# KiCad board TKL.kicad_pcb
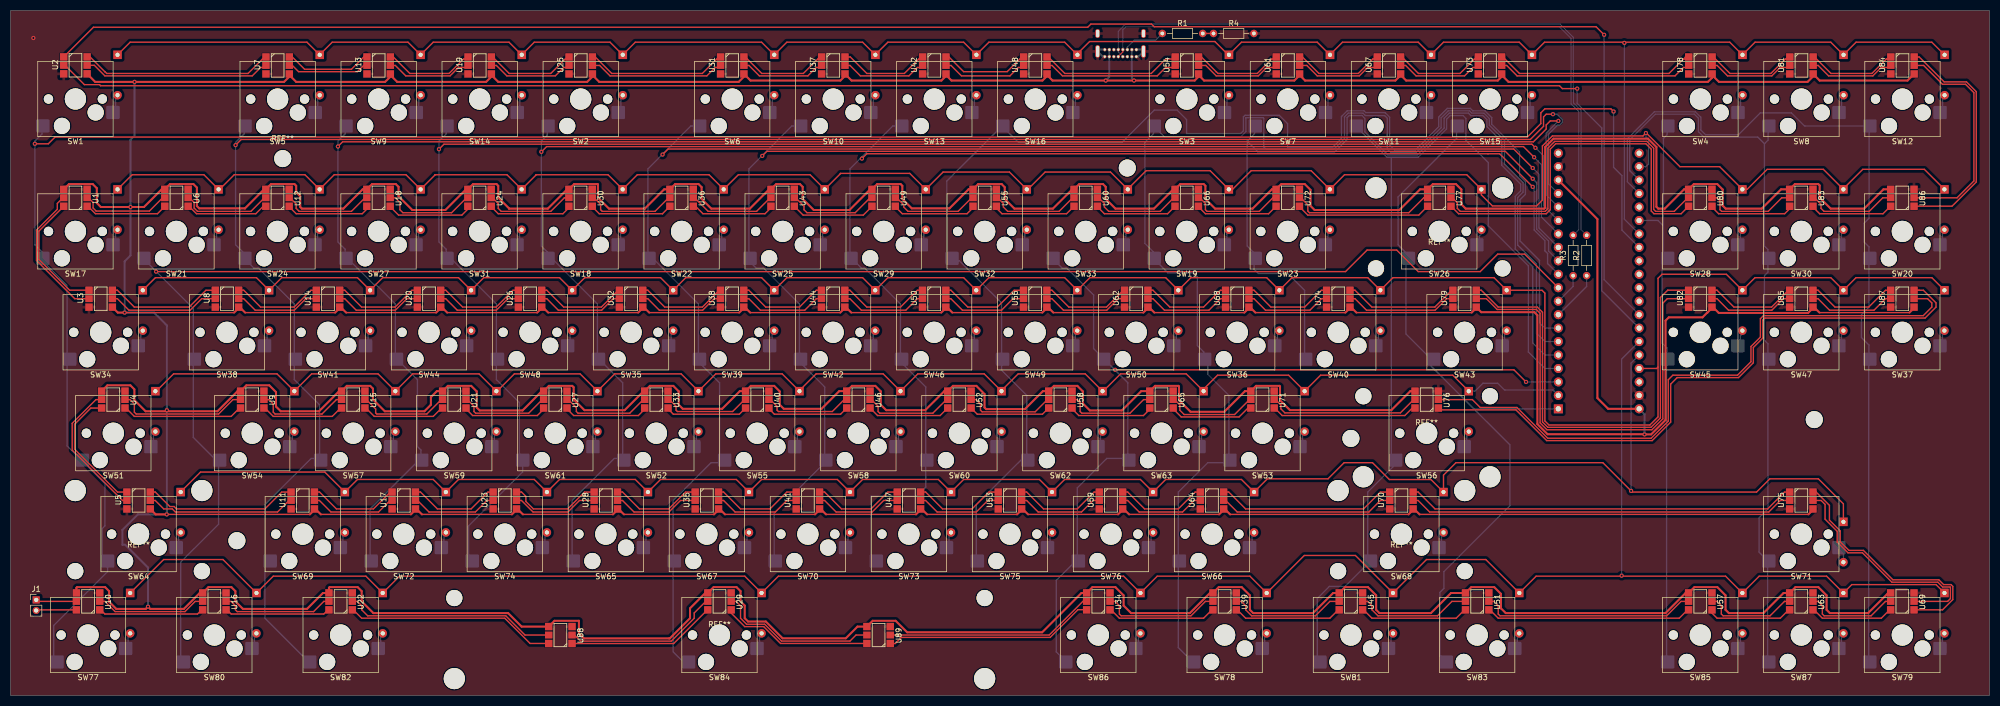
[diagram p0: board, top side]
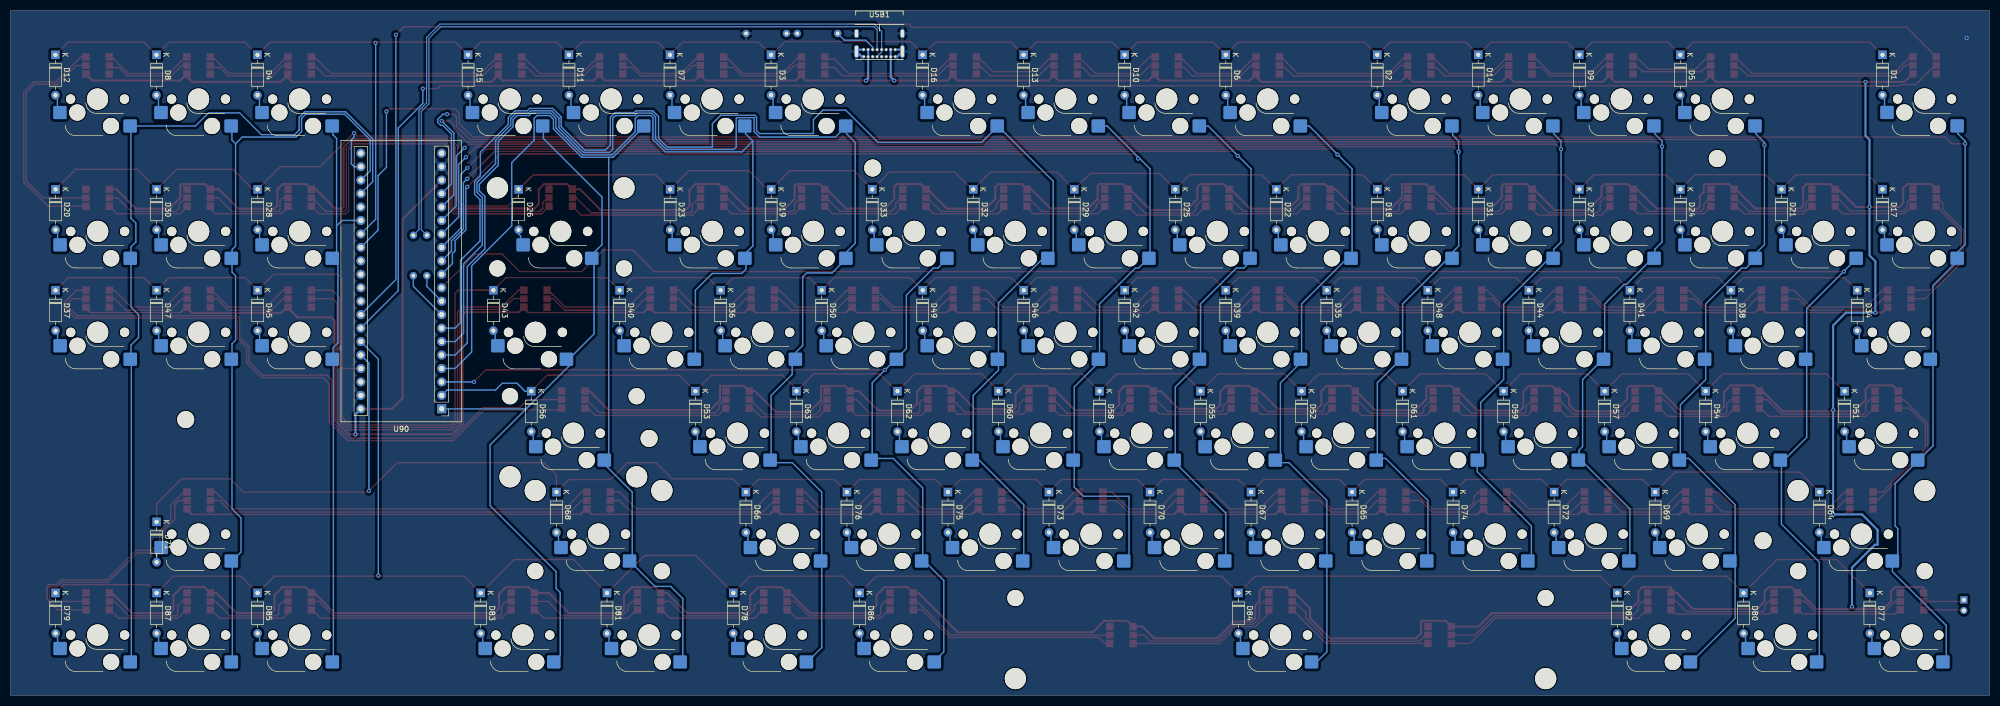
[diagram p1: board, bottom side, seen from below]

Outline 373.13 x 129.29 mm; copper layers: Top, Bottom. Coordinates in mm from the lower left corner of the outline.
Outline path: 0,129.29 0,0 373.13,0 373.13,129.29 0,129.29
Stack: Top 0.035mm / dielectric 1.51mm FR4 er 4.5 / Bottom 0.035mm

## Placement (name value [footprint] x y rotation side)
D1  D_ESC  [D_DO-35_SOD27_P7.62mm_Horizontal]  20.16 120.94 270 bottom
D2  D_F4  [D_DO-35_SOD27_P7.62mm_Horizontal]  115.44 120.94 270 bottom
D3  D_F9  [D_DO-35_SOD27_P7.62mm_Horizontal]  229.74 120.94 270 bottom
D4  D_PRINT  [D_DO-35_SOD27_P7.62mm_Horizontal]  326.58 120.94 270 bottom
D5  D_F1  [D_DO-35_SOD27_P7.62mm_Horizontal]  58.29 120.94 270 bottom
D6  D_F5  [D_DO-35_SOD27_P7.62mm_Horizontal]  143.99 120.94 270 bottom
D7  D_F10  [D_DO-35_SOD27_P7.62mm_Horizontal]  248.79 120.94 270 bottom
D8  D_SCRLCK  [D_DO-35_SOD27_P7.62mm_Horizontal]  345.63 120.94 270 bottom
D9  D_F2  [D_DO-35_SOD27_P7.62mm_Horizontal]  77.31 120.94 270 bottom
D10  D_F6  [D_DO-35_SOD27_P7.62mm_Horizontal]  163.06 120.94 270 bottom
D11  D_F11  [D_DO-35_SOD27_P7.62mm_Horizontal]  267.84 120.94 270 bottom
D12  D_BREAK  [D_DO-35_SOD27_P7.62mm_Horizontal]  364.68 120.94 270 bottom
D13  D_F7  [D_DO-35_SOD27_P7.62mm_Horizontal]  182.11 120.94 270 bottom
D14  D_F3  [D_DO-35_SOD27_P7.62mm_Horizontal]  96.39 120.94 270 bottom
D15  D_F12  [D_DO-35_SOD27_P7.62mm_Horizontal]  286.86 120.94 270 bottom
D16  D_F8  [D_DO-35_SOD27_P7.62mm_Horizontal]  201.16 120.94 270 bottom
D17  D_TILDE  [D_DO-35_SOD27_P7.62mm_Horizontal]  20.16 95.54 270 bottom
D18  D_5  [D_DO-35_SOD27_P7.62mm_Horizontal]  115.41 95.54 270 bottom
D19  D_MINUS  [D_DO-35_SOD27_P7.62mm_Horizontal]  229.71 95.54 270 bottom
D20  D_PGUP  [D_DO-35_SOD27_P7.62mm_Horizontal]  364.65 95.54 270 bottom
D21  D_1  [D_DO-35_SOD27_P7.62mm_Horizontal]  39.21 95.54 270 bottom
D22  D_6  [D_DO-35_SOD27_P7.62mm_Horizontal]  134.46 95.54 270 bottom
D23  D_PLUS  [D_DO-35_SOD27_P7.62mm_Horizontal]  248.76 95.54 270 bottom
D24  D_2  [D_DO-35_SOD27_P7.62mm_Horizontal]  58.26 95.54 270 bottom
D25  D_7  [D_DO-35_SOD27_P7.62mm_Horizontal]  153.51 95.54 270 bottom
D26  D_BACK  [D_DO-35_SOD27_P7.62mm_Horizontal]  277.34 95.54 270 bottom
D27  D_3  [D_DO-35_SOD27_P7.62mm_Horizontal]  77.31 95.54 270 bottom
D28  D_INSERT  [D_DO-35_SOD27_P7.62mm_Horizontal]  326.55 95.54 270 bottom
D29  D_8  [D_DO-35_SOD27_P7.62mm_Horizontal]  172.56 95.54 270 bottom
D30  D_HOME  [D_DO-35_SOD27_P7.62mm_Horizontal]  345.6 95.54 270 bottom
D31  D_4  [D_DO-35_SOD27_P7.62mm_Horizontal]  96.36 95.54 270 bottom
D32  D_9  [D_DO-35_SOD27_P7.62mm_Horizontal]  191.61 95.54 270 bottom
D33  D_0  [D_DO-35_SOD27_P7.62mm_Horizontal]  210.66 95.54 270 bottom
D34  D_TAB  [D_DO-35_SOD27_P7.62mm_Horizontal]  24.92 76.49 270 bottom
D35  D_T  [D_DO-35_SOD27_P7.62mm_Horizontal]  124.94 76.49 270 bottom
D36  D_BRACEL  [D_DO-35_SOD27_P7.62mm_Horizontal]  239.24 76.49 270 bottom
D37  D_PGDN  [D_DO-35_SOD27_P7.62mm_Horizontal]  364.65 76.49 270 bottom
D38  D_Q  [D_DO-35_SOD27_P7.62mm_Horizontal]  48.74 76.49 270 bottom
D39  D_Y  [D_DO-35_SOD27_P7.62mm_Horizontal]  143.99 76.49 270 bottom
D40  D_BRACER  [D_DO-35_SOD27_P7.62mm_Horizontal]  258.29 76.49 270 bottom
D41  D_W  [D_DO-35_SOD27_P7.62mm_Horizontal]  67.79 76.49 270 bottom
D42  D_U  [D_DO-35_SOD27_P7.62mm_Horizontal]  163.04 76.49 270 bottom
D43  D_BCKSLSH  [D_DO-35_SOD27_P7.62mm_Horizontal]  282.1 76.49 270 bottom
D44  D_E  [D_DO-35_SOD27_P7.62mm_Horizontal]  86.84 76.49 270 bottom
D45  D_DELETE  [D_DO-35_SOD27_P7.62mm_Horizontal]  326.55 76.49 270 bottom
D46  D_I  [D_DO-35_SOD27_P7.62mm_Horizontal]  182.09 76.49 270 bottom
D47  D_END  [D_DO-35_SOD27_P7.62mm_Horizontal]  345.6 76.49 270 bottom
D48  D_R  [D_DO-35_SOD27_P7.62mm_Horizontal]  105.89 76.49 270 bottom
D49  D_O  [D_DO-35_SOD27_P7.62mm_Horizontal]  201.14 76.49 270 bottom
D50  D_P  [D_DO-35_SOD27_P7.62mm_Horizontal]  220.19 76.49 270 bottom
D51  D_CAPS  [D_DO-35_SOD27_P7.62mm_Horizontal]  27.3 57.44 270 bottom
D52  D_G  [D_DO-35_SOD27_P7.62mm_Horizontal]  129.7 57.44 270 bottom
D53  D_APO  [D_DO-35_SOD27_P7.62mm_Horizontal]  244 57.44 270 bottom
D54  D_A  [D_DO-35_SOD27_P7.62mm_Horizontal]  53.5 57.44 270 bottom
D55  D_H  [D_DO-35_SOD27_P7.62mm_Horizontal]  148.75 57.44 270 bottom
D56  D_ENTER  [D_DO-35_SOD27_P7.62mm_Horizontal]  274.95 57.44 270 bottom
D57  D_S  [D_DO-35_SOD27_P7.62mm_Horizontal]  72.55 57.44 270 bottom
D58  D_J  [D_DO-35_SOD27_P7.62mm_Horizontal]  167.8 57.44 270 bottom
D59  D_D  [D_DO-35_SOD27_P7.62mm_Horizontal]  91.6 57.44 270 bottom
D60  D_K  [D_DO-35_SOD27_P7.62mm_Horizontal]  186.85 57.44 270 bottom
D61  D_F  [D_DO-35_SOD27_P7.62mm_Horizontal]  110.65 57.44 270 bottom
D62  D_L  [D_DO-35_SOD27_P7.62mm_Horizontal]  205.9 57.44 270 bottom
D63  D_SEMI  [D_DO-35_SOD27_P7.62mm_Horizontal]  224.95 57.44 270 bottom
D64  D_SHIFT  [D_DO-35_SOD27_P7.62mm_Horizontal]  32.07 38.39 270 bottom
D65  D_V  [D_DO-35_SOD27_P7.62mm_Horizontal]  120.17 38.39 270 bottom
D66  D_SLASH  [D_DO-35_SOD27_P7.62mm_Horizontal]  234.47 38.39 270 bottom
D67  D_B  [D_DO-35_SOD27_P7.62mm_Horizontal]  139.22 38.39 270 bottom
D68  D_RSHIFT  [D_DO-35_SOD27_P7.62mm_Horizontal]  270.19 38.39 270 bottom
D69  D_Z  [D_DO-35_SOD27_P7.62mm_Horizontal]  63.02 38.39 270 bottom
D70  D_N  [D_DO-35_SOD27_P7.62mm_Horizontal]  158.27 38.39 270 bottom
D71  D_UP  [D_DO-35_SOD27_P7.62mm_Horizontal]  345.6 32.77 270 bottom
D72  D_X  [D_DO-35_SOD27_P7.62mm_Horizontal]  82.07 38.39 270 bottom
D73  D_M  [D_DO-35_SOD27_P7.62mm_Horizontal]  177.32 38.39 270 bottom
D74  D_C  [D_DO-35_SOD27_P7.62mm_Horizontal]  101.12 38.39 270 bottom
D75  D_COMMA  [D_DO-35_SOD27_P7.62mm_Horizontal]  196.37 38.39 270 bottom
D76  D_DOT  [D_DO-35_SOD27_P7.62mm_Horizontal]  215.42 38.39 270 bottom
D77  D_LCTRL  [D_DO-35_SOD27_P7.62mm_Horizontal]  22.54 19.34 270 bottom
D78  D_RWIN  [D_DO-35_SOD27_P7.62mm_Horizontal]  236.85 19.34 270 bottom
D79  D_RIGHT  [D_DO-35_SOD27_P7.62mm_Horizontal]  364.65 19.34 270 bottom
D80  D_LWIN  [D_DO-35_SOD27_P7.62mm_Horizontal]  46.36 19.34 270 bottom
D81  D_MENU  [D_DO-35_SOD27_P7.62mm_Horizontal]  260.67 19.34 270 bottom
D82  D_LALT  [D_DO-35_SOD27_P7.62mm_Horizontal]  70.17 19.34 270 bottom
D83  D_RCTRL  [D_DO-35_SOD27_P7.62mm_Horizontal]  284.48 19.34 270 bottom
D84  D_SPACE  [D_DO-35_SOD27_P7.62mm_Horizontal]  141.6 19.34 270 bottom
D85  D_LEFT  [D_DO-35_SOD27_P7.62mm_Horizontal]  326.55 19.34 270 bottom
D86  D_RALT  [D_DO-35_SOD27_P7.62mm_Horizontal]  213.04 19.34 270 bottom
D87  D_DOWN  [D_DO-35_SOD27_P7.62mm_Horizontal]  345.6 19.34 270 bottom
J1  Conn_01x02_Socket  [PinHeader_1x02_P2.00mm_Vertical]  4.83 18.03 0 top
NOREF  -  [unnamed]  210.57 99.57 0 top
NOREF#2  -  [unnamed]  42.67 29.21 0 top
NOREF#3  -  [unnamed]  252.73 48.51 0 top
NOREF#4  -  [unnamed]  340.11 52.07 0 top
R1  4.7kOhm  [R_Axial_DIN0204_L3.6mm_D1.6mm_P7.62mm_Horizontal]  217.17 124.97 0 top
R2  10Ohm  [R_Axial_DIN0204_L3.6mm_D1.6mm_P7.62mm_Horizontal]  297.18 79.25 90 top
R3  10Ohm  [R_Axial_DIN0204_L3.6mm_D1.6mm_P7.62mm_Horizontal]  294.64 79.25 90 top
R4  390Ohm  [R_Axial_DIN0204_L3.6mm_D1.6mm_P7.62mm_Horizontal]  226.82 124.97 0 top
REF**  -  [MountingHole_3.2mm_M3_DIN965]  51.31 101.35 0 top
REF**#2  -  [Stabilizer_Cherry_MX_2.00u]  269.4 87.6 180 top
REF**#3  -  [Stabilizer_Cherry_MX_6.25u]  133.67 11.4 0 top
REF**#4  -  [Stabilizer_Cherry_MX_2.00u]  24.13 30.45 180 top
REF**#5  -  [Stabilizer_Cherry_MX_2.00u]  262.25 30.45 180 top
REF**#6  -  [Stabilizer_Cherry_MX_2.00u]  267.02 49.5 0 top
SW1  K_ESC  [SW_Hotswap_Kailh_MX_1.00u]  12.22 112.6 180 top
SW2  K_F4  [SW_Hotswap_Kailh_MX_1.00u]  107.5 112.58 180 top
SW3  K_F9  [SW_Hotswap_Kailh_MX_1.00u]  221.8 112.58 180 top
SW4  K_PRINT  [SW_Hotswap_Kailh_MX_1.00u]  318.64 112.58 180 top
SW5  K_F1  [SW_Hotswap_Kailh_MX_1.00u]  50.35 112.58 180 top
SW6  K_F5  [SW_Hotswap_Kailh_MX_1.00u]  136.08 112.58 180 top
SW7  K_F10  [SW_Hotswap_Kailh_MX_1.00u]  240.85 112.58 180 top
SW8  K_SCRLCK  [SW_Hotswap_Kailh_MX_1.00u]  337.69 112.58 180 top
SW9  K_F2  [SW_Hotswap_Kailh_MX_1.00u]  69.4 112.58 180 top
SW10  K_F6  [SW_Hotswap_Kailh_MX_1.00u]  155.13 112.58 180 top
SW11  K_F11  [SW_Hotswap_Kailh_MX_1.00u]  259.9 112.58 180 top
SW12  K_BREAK  [SW_Hotswap_Kailh_MX_1.00u]  356.74 112.58 180 top
SW13  K_F7  [SW_Hotswap_Kailh_MX_1.00u]  174.18 112.58 180 top
SW14  K_F3  [SW_Hotswap_Kailh_MX_1.00u]  88.45 112.58 180 top
SW15  K_F12  [SW_Hotswap_Kailh_MX_1.00u]  278.95 112.58 180 top
SW16  K_F8  [SW_Hotswap_Kailh_MX_1.00u]  193.23 112.58 180 top
SW17  K_TILDE  [SW_Hotswap_Kailh_MX_1.00u]  12.22 87.6 180 top
SW18  K_5  [SW_Hotswap_Kailh_MX_1.00u]  107.47 87.6 180 top
SW19  K_MINUS  [SW_Hotswap_Kailh_MX_1.00u]  221.77 87.6 180 top
SW20  K_PGUP  [SW_Hotswap_Kailh_MX_1.00u]  356.71 87.6 180 top
SW21  K_1  [SW_Hotswap_Kailh_MX_1.00u]  31.27 87.6 180 top
SW22  K_6  [SW_Hotswap_Kailh_MX_1.00u]  126.52 87.6 180 top
SW23  K_PLUS  [SW_Hotswap_Kailh_MX_1.00u]  240.82 87.6 180 top
SW24  K_2  [SW_Hotswap_Kailh_MX_1.00u]  50.32 87.6 180 top
SW25  K_7  [SW_Hotswap_Kailh_MX_1.00u]  145.57 87.6 180 top
SW26  K_BACK  [SW_Hotswap_Kailh_MX_2.00u]  269.4 87.6 180 top
SW27  K_3  [SW_Hotswap_Kailh_MX_1.00u]  69.37 87.6 180 top
SW28  K_INSERT  [SW_Hotswap_Kailh_MX_1.00u]  318.61 87.6 180 top
SW29  K_8  [SW_Hotswap_Kailh_MX_1.00u]  164.62 87.6 180 top
SW30  K_HOME  [SW_Hotswap_Kailh_MX_1.00u]  337.66 87.6 180 top
SW31  K_4  [SW_Hotswap_Kailh_MX_1.00u]  88.42 87.6 180 top
SW32  K_9  [SW_Hotswap_Kailh_MX_1.00u]  183.67 87.6 180 top
SW33  K_0  [SW_Hotswap_Kailh_MX_1.00u]  202.72 87.6 180 top
SW34  K_TAB  [SW_Hotswap_Kailh_MX_1.50u]  16.99 68.55 180 top
SW35  K_T  [SW_Hotswap_Kailh_MX_1.00u]  117 68.55 180 top
SW36  K_BRACEL  [SW_Hotswap_Kailh_MX_1.00u]  231.3 68.55 180 top
SW37  K_PGDN  [SW_Hotswap_Kailh_MX_1.00u]  356.71 68.55 180 top
SW38  K_Q  [SW_Hotswap_Kailh_MX_1.00u]  40.8 68.55 180 top
SW39  K_Y  [SW_Hotswap_Kailh_MX_1.00u]  136.05 68.55 180 top
SW40  K_BRACER  [SW_Hotswap_Kailh_MX_1.00u]  250.35 68.55 180 top
SW41  K_W  [SW_Hotswap_Kailh_MX_1.00u]  59.85 68.55 180 top
SW42  K_U  [SW_Hotswap_Kailh_MX_1.00u]  155.1 68.55 180 top
SW43  K_BCKSLSH  [SW_Hotswap_Kailh_MX_1.50u]  274.16 68.55 180 top
SW44  K_E  [SW_Hotswap_Kailh_MX_1.00u]  78.9 68.55 180 top
SW45  K_DELETE  [SW_Hotswap_Kailh_MX_1.00u]  318.61 68.55 180 top
SW46  K_I  [SW_Hotswap_Kailh_MX_1.00u]  174.15 68.55 180 top
SW47  K_END  [SW_Hotswap_Kailh_MX_1.00u]  337.66 68.55 180 top
SW48  K_R  [SW_Hotswap_Kailh_MX_1.00u]  97.95 68.55 180 top
SW49  K_O  [SW_Hotswap_Kailh_MX_1.00u]  193.2 68.55 180 top
SW50  K_P  [SW_Hotswap_Kailh_MX_1.00u]  212.25 68.55 180 top
SW51  K_CAPS  [SW_Hotswap_Kailh_MX_1.75u]  19.37 49.5 180 top
SW52  K_G  [SW_Hotswap_Kailh_MX_1.00u]  121.76 49.5 180 top
SW53  K_APO  [SW_Hotswap_Kailh_MX_1.00u]  236.06 49.5 180 top
SW54  K_A  [SW_Hotswap_Kailh_MX_1.00u]  45.56 49.5 180 top
SW55  K_H  [SW_Hotswap_Kailh_MX_1.00u]  140.79 49.5 180 top
SW56  K_ENTER  [SW_Hotswap_Kailh_MX_2.25u]  267.02 49.5 180 top
SW57  K_S  [SW_Hotswap_Kailh_MX_1.00u]  64.61 49.5 180 top
SW58  K_J  [SW_Hotswap_Kailh_MX_1.00u]  159.86 49.5 180 top
SW59  K_D  [SW_Hotswap_Kailh_MX_1.00u]  83.66 49.5 180 top
SW60  K_K  [SW_Hotswap_Kailh_MX_1.00u]  178.91 49.5 180 top
SW61  K_F  [SW_Hotswap_Kailh_MX_1.00u]  102.71 49.5 180 top
SW62  K_L  [SW_Hotswap_Kailh_MX_1.00u]  197.95 49.5 180 top
SW63  K_SEMI  [SW_Hotswap_Kailh_MX_1.00u]  217.01 49.5 180 top
SW64  K_SHIFT  [SW_Hotswap_Kailh_MX_2.25u]  24.13 30.45 180 top
SW65  K_V  [SW_Hotswap_Kailh_MX_1.00u]  112.24 30.45 180 top
SW66  K_SLASH  [SW_Hotswap_Kailh_MX_1.00u]  226.54 30.45 180 top
SW67  K_B  [SW_Hotswap_Kailh_MX_1.00u]  131.29 30.45 180 top
SW68  K_RSHIFT  [SW_Hotswap_Kailh_MX_2.75u]  262.25 30.45 180 top
SW69  K_Z  [SW_Hotswap_Kailh_MX_1.00u]  55.09 30.45 180 top
SW70  K_N  [SW_Hotswap_Kailh_MX_1.00u]  150.34 30.45 180 top
SW71  K_UP  [SW_Hotswap_Kailh_MX_1.00u]  337.66 30.45 180 top
SW72  K_X  [SW_Hotswap_Kailh_MX_1.00u]  74.14 30.45 180 top
SW73  K_M  [SW_Hotswap_Kailh_MX_1.00u]  169.39 30.45 180 top
SW74  K_C  [SW_Hotswap_Kailh_MX_1.00u]  93.19 30.45 180 top
SW75  K_COMMA  [SW_Hotswap_Kailh_MX_1.00u]  188.44 30.45 180 top
SW76  K_DOT  [SW_Hotswap_Kailh_MX_1.00u]  207.49 30.45 180 top
SW77  K_LCTRL  [SW_Hotswap_Kailh_MX_1.25u]  14.6 11.4 180 top
SW78  K_RWIN  [SW_Hotswap_Kailh_MX_1.25u]  228.92 11.4 180 top
SW79  K_RIGHT  [SW_Hotswap_Kailh_MX_1.00u]  356.71 11.4 180 top
SW80  K_LWIN  [SW_Hotswap_Kailh_MX_1.25u]  38.42 11.4 180 top
SW81  K_MENU  [SW_Hotswap_Kailh_MX_1.25u]  252.73 11.4 180 top
SW82  K_LALT  [SW_Hotswap_Kailh_MX_1.25u]  62.23 11.4 180 top
SW83  K_RCTRL  [SW_Hotswap_Kailh_MX_1.25u]  276.54 11.4 180 top
SW84  K_SPACE  [SW_Hotswap_Kailh_MX_6.25u]  133.67 11.4 180 top
SW85  K_LEFT  [SW_Hotswap_Kailh_MX_1.00u]  318.61 11.4 180 top
SW86  K_RALT  [SW_Hotswap_Kailh_MX_1.00u]  205.1 11.4 180 top
SW87  K_DOWN  [SW_Hotswap_Kailh_MX_1.00u]  337.66 11.4 180 top
U1  L_TILDE  [APA102]  12.22 93.95 90 top
U2  L_Escape  [APA102]  12.22 118.95 270 top
U3  L_TAB  [APA102]  16.99 74.9 270 top
U4  L_CAPS  [APA102]  19.37 55.85 90 top
U5  L_LSHIFT  [APA102]  24.13 36.8 270 top
U6  L_1  [APA102]  31.27 93.95 90 top
U7  L_F1  [APA102]  50.35 118.93 270 top
U8  L_Q  [APA102]  40.8 74.9 270 top
U9  L_A  [APA102]  45.56 55.85 90 top
U10  L_LCTRL  [APA102]  14.6 17.75 90 top
U11  L_Z  [APA102]  55.09 36.8 270 top
U12  L_2  [APA102]  50.32 93.95 90 top
U13  L_F2  [APA102]  69.4 118.93 270 top
U14  L_W  [APA102]  59.85 74.9 270 top
U15  L_S  [APA102]  64.61 55.85 90 top
U16  L_LWIN  [APA102]  38.42 17.75 90 top
U17  L_X  [APA102]  74.14 36.8 270 top
U18  L_3  [APA102]  69.37 93.95 90 top
U19  L_F3  [APA102]  88.45 118.93 270 top
U20  L_E  [APA102]  78.9 74.9 270 top
U21  L_D  [APA102]  83.66 55.85 90 top
U22  L_LALT  [APA102]  62.23 17.75 90 top
U23  L_C  [APA102]  93.19 36.8 270 top
U24  L_4  [APA102]  88.42 93.95 90 top
U25  L_F4  [APA102]  107.5 118.93 270 top
U26  L_R  [APA102]  97.95 74.9 270 top
U27  L_F  [APA102]  102.71 55.85 90 top
U28  L_V  [APA102]  112.24 36.8 270 top
U29  L_SPACE2  [APA102]  133.67 17.75 90 top
U30  L_5  [APA102]  107.47 93.95 90 top
U31  L_F5  [APA102]  136.08 118.93 270 top
U32  L_T  [APA102]  117 74.9 270 top
U33  L_G  [APA102]  121.76 55.85 90 top
U34  L_RALT  [APA102]  205.1 17.75 90 top
U35  L_B  [APA102]  131.29 36.8 270 top
U36  L_6  [APA102]  126.52 93.95 90 top
U37  L_F6  [APA102]  155.13 118.93 270 top
U38  L_Y  [APA102]  136.05 74.9 270 top
U39  L_RWIN  [APA102]  228.92 17.75 90 top
U40  L_H  [APA102]  140.79 55.85 90 top
U41  L_N  [APA102]  150.34 36.8 270 top
U42  L_F7  [APA102]  174.18 118.93 270 top
U43  L_7  [APA102]  145.57 93.95 90 top
U44  L_U  [APA102]  155.1 74.9 270 top
U45  L_MENU  [APA102]  252.73 17.75 90 top
U46  L_J  [APA102]  159.86 55.85 90 top
U47  L_M  [APA102]  169.39 36.8 270 top
U48  L_F8  [APA102]  193.23 118.93 270 top
U49  L_8  [APA102]  164.62 93.95 90 top
U50  L_I  [APA102]  174.15 74.9 270 top
U51  L_RCTRL  [APA102]  276.54 17.75 90 top
U52  L_K  [APA102]  178.91 55.85 90 top
U53  L_COMMA  [APA102]  188.44 36.8 270 top
U54  L_F9  [APA102]  221.8 118.93 270 top
U55  L_9  [APA102]  183.67 93.95 90 top
U56  L_O  [APA102]  193.2 74.9 270 top
U57  L_LEFT  [APA102]  318.61 17.75 90 top
U58  L_L  [APA102]  197.95 55.85 90 top
U59  L_DOT  [APA102]  207.49 36.8 270 top
U60  L_0  [APA102]  202.72 93.95 90 top
U61  L_F10  [APA102]  240.85 118.93 270 top
U62  L_P  [APA102]  212.25 74.9 270 top
U63  L_DOWN  [APA102]  337.66 17.75 90 top
U64  L_SLASH  [APA102]  226.54 36.8 270 top
U65  L_SEMI  [APA102]  217.01 55.85 90 top
U66  L_MINUS  [APA102]  221.77 93.95 90 top
U67  L_F11  [APA102]  259.9 118.93 270 top
U68  L_BRACEL  [APA102]  231.3 74.9 270 top
U69  L_RIGHT  [APA102]  356.71 17.75 90 top
U70  L_RSHIFT  [APA102]  262.25 36.8 270 top
U71  L_APO  [APA102]  236.06 55.85 90 top
U72  L_PLUS  [APA102]  240.82 93.95 90 top
U73  L_F12  [APA102]  278.95 118.93 270 top
U74  L_BRACER  [APA102]  250.35 74.9 270 top
U75  L_UP  [APA102]  337.66 36.8 270 top
U76  L_ENTER  [APA102]  267.02 55.85 90 top
U77  L_BACK  [APA102]  269.4 93.95 90 top
U78  L_PrtSc  [APA102]  318.64 118.93 270 top
U79  L_BCKSLSH  [APA102]  274.16 74.9 270 top
U80  L_INSERT  [APA102]  318.61 93.95 90 top
U81  L_ScrlLck  [APA102]  337.69 118.93 270 top
U82  L_DELETE  [APA102]  318.61 74.9 270 top
U83  L_HOME  [APA102]  337.66 93.95 90 top
U84  L_Pause  [APA102]  356.74 118.93 270 top
U85  L_END  [APA102]  337.66 74.9 270 top
U86  L_PgUp  [APA102]  356.71 93.95 90 top
U87  L_PgDn  [APA102]  356.71 74.9 270 top
U88  L_SPACE1  [APA102]  103.67 11.4 90 top
U89  L_SPACE3  [APA102]  163.67 11.4 90 top
U90  YAAJ_WeAct_BlackPill_Part_Like_SWD_Breakout  [YAAJ_WeAct_BlackPill_2]  291.85 54.1 0 bottom
USB1  HRO-TYPE-C-31-M-12  [USB_C_GCT_USB4085]  209.3 126.7 0 bottom

## Library data of the parts
D1-D87 = -: Description: Diode
J1 = -: Description: Generic connector, single row, 01x02, script generated
R1-R4 = -: Description: SMD 0201 Chip Resistor, European Symbol, Alternate KiCad Library
SW1-SW87 = -: Description: 1x DIP Switch, Single Pole Single Throw (SPST) switch, small symbol
U90 = -: Description: WeAct STM32F401/F411 Black Pill ; not KLC compliant

## Footprints (pads in the part's own frame, mm; a bottom-side part is the same pattern mirrored in y, then rotated)
APA102
  rect 1.4x1.4 smd: 1(-1.6,-2.2) 3(1.6,-2.2) 4(1.6,2.2) 6(-1.6,2.2)
  rect 1.3x1.4 smd: 2(0,-2.2) 5(0,2.2)
D_DO-35_SOD27_P7.62mm_Horizontal
  rect 1.6x1.6 hole 0.8: 1(0,0)
  oval 1.6x1.6 hole 0.8: 2(7.62,0)
MountingHole_3.2mm_M3_DIN965
  round 3.2 hole 3.2 unplated: (0,0)
PinHeader_1x02_P2.00mm_Vertical
  rect 1.35x1.35 hole 0.8: 1(0,0)
  oval 1.35x1.35 hole 0.8: 2(0,-2)
R_Axial_DIN0204_L3.6mm_D1.6mm_P7.62mm_Horizontal
  round 1.4 hole 0.7: 1(0,0)
  oval 1.4x1.4 hole 0.7: 2(7.62,0)
Stabilizer_Cherry_MX_2.00u
  round 3.048 hole 3.048 unplated: (-11.938,6.985) (11.938,6.985)
  round 3.988 hole 3.988 unplated: (-11.938,-8.225) (11.938,-8.225)
Stabilizer_Cherry_MX_6.25u
  round 3.048 hole 3.048 unplated: (-50,6.985) (50,6.985)
  round 3.988 hole 3.988 unplated: (-50,-8.225) (50,-8.225)
SW_Hotswap_Kailh_MX_1.00u
  round 1.75 hole 1.75 unplated: (-5.08,0) (5.08,0)
  round 3.05 hole 3.05 unplated: (-3.81,2.54) (2.54,5.08)
  round 4 hole 4 unplated: (0,0)
  rrect 2.55x2.5 smd far side: 1(6.147,5.08) 2(-7.085,2.54)
SW_Hotswap_Kailh_MX_1.25u
  round 1.75 hole 1.75 unplated: (-5.08,0) (5.08,0)
  round 3.05 hole 3.05 unplated: (-3.81,2.54) (2.54,5.08)
  round 4 hole 4 unplated: (0,0)
  rrect 2.55x2.5 smd far side: 1(5.842,5.08) 2(-7.085,2.54)
SW_Hotswap_Kailh_MX_1.50u
  round 1.75 hole 1.75 unplated: (-5.08,0) (5.08,0)
  round 3.05 hole 3.05 unplated: (-3.81,2.54) (2.54,5.08)
  round 4 hole 4 unplated: (0,0)
  rrect 2.55x2.5 smd far side: 1(5.842,5.08) 2(-7.085,2.54)
SW_Hotswap_Kailh_MX_1.75u
  round 1.75 hole 1.75 unplated: (-5.08,0) (5.08,0)
  round 3.05 hole 3.05 unplated: (-3.81,2.54) (2.54,5.08)
  round 4 hole 4 unplated: (0,0)
  rrect 2.55x2.5 smd far side: 1(5.842,5.08) 2(-7.085,2.54)
SW_Hotswap_Kailh_MX_2.00u
  round 1.75 hole 1.75 unplated: (-5.08,0) (5.08,0)
  round 3.05 hole 3.05 unplated: (-3.81,2.54) (2.54,5.08)
  round 4 hole 4 unplated: (0,0)
  rrect 2.55x2.5 smd far side: 1(5.842,5.08) 2(-7.085,2.54)
SW_Hotswap_Kailh_MX_2.25u
  round 1.75 hole 1.75 unplated: (-5.08,0) (5.08,0)
  round 3.05 hole 3.05 unplated: (-3.81,2.54) (2.54,5.08)
  round 4 hole 4 unplated: (0,0)
  rrect 2.55x2.5 smd far side: 1(5.842,5.08) 2(-7.085,2.54)
SW_Hotswap_Kailh_MX_2.75u
  round 1.75 hole 1.75 unplated: (-5.08,0) (5.08,0)
  round 3.05 hole 3.05 unplated: (-3.81,2.54) (2.54,5.08)
  round 4 hole 4 unplated: (0,0)
  rrect 2.55x2.5 smd far side: 1(5.842,5.08) 2(-7.085,2.54)
SW_Hotswap_Kailh_MX_6.25u
  round 1.75 hole 1.75 unplated: (-5.08,0) (5.08,0)
  round 3.05 hole 3.05 unplated: (-3.81,2.54) (2.54,5.08)
  round 4 hole 4 unplated: (0,0)
  rrect 2.55x2.5 smd far side: 1(5.842,5.08) 2(-7.085,2.54)
unnamed
  round 3.2 hole 3.2 unplated: (0,0)
USB_C_GCT_USB4085
  round 0.65 hole 0.4: A1(-2.975,6.1) A4(-2.125,6.1) A5(-1.275,6.1) A6(-0.425,6.1) A7(0.425,6.1) A8(1.275,6.1) A9(2.125,6.1) A12(2.975,6.1) B1(2.98,4.775) B4(2.13,4.775) B5(1.28,4.775) B6(0.43,4.775) B7(-0.42,4.775) B8(-1.27,4.775) B9(-2.12,4.775) B12(-2.975,4.775)
  oval 0.9x1.7 hole 0.6x1.4: S1(-4.325,1.74) S1(4.325,1.74)
  oval 0.9x2.4 hole 0.6x2.1: S1(-4.325,5.12) S1(4.325,5.12)
YAAJ_WeAct_BlackPill_2
  rect 1.7x1.7 hole 1: 1(0,0)
  round 1.7 hole 1: 2(0,-2.54) 3(0,-5.08) 4(0,-7.62) 5(0,-10.16) 6(0,-12.7) 7(0,-15.24) 8(0,-17.78) 9(0,-20.32) 10(0,-22.86) 11(0,-25.4) 12(0,-27.94) 13(0,-30.48) 14(0,-33.02) 15(0,-35.56) 16(0,-38.1) 17(0,-40.64) 18(0,-43.18) 19(0,-45.72) 20(0,-48.26) 21(15.24,-48.26) 22(15.24,-45.72) 23(15.24,-43.18) 24(15.24,-40.64) 25(15.24,-38.1) 26(15.24,-35.56) 27(15.24,-33.02) 28(15.24,-30.48) 29(15.24,-27.94) 30(15.24,-25.4) 31(15.24,-22.86) 32(15.24,-20.32) 33(15.24,-17.78) 34(15.24,-15.24) 35(15.24,-12.7) 36(15.24,-10.16) 37(15.24,-7.62) 38(15.24,-5.08) 39(15.24,-2.54) 40(15.24,0)
